# Altium PCB ble_lock_2020-10-10.PcbDoc (part 5 of 5)
Units mm, origin at the board's own origin, x right, y up, seen from the top; angles counter-clockwise.
Board outline 58 x 27 mm, 2 copper layers (Top Layer, Bottom Layer); 590 components, 46 nets, 1844 pads, 2190 vias.
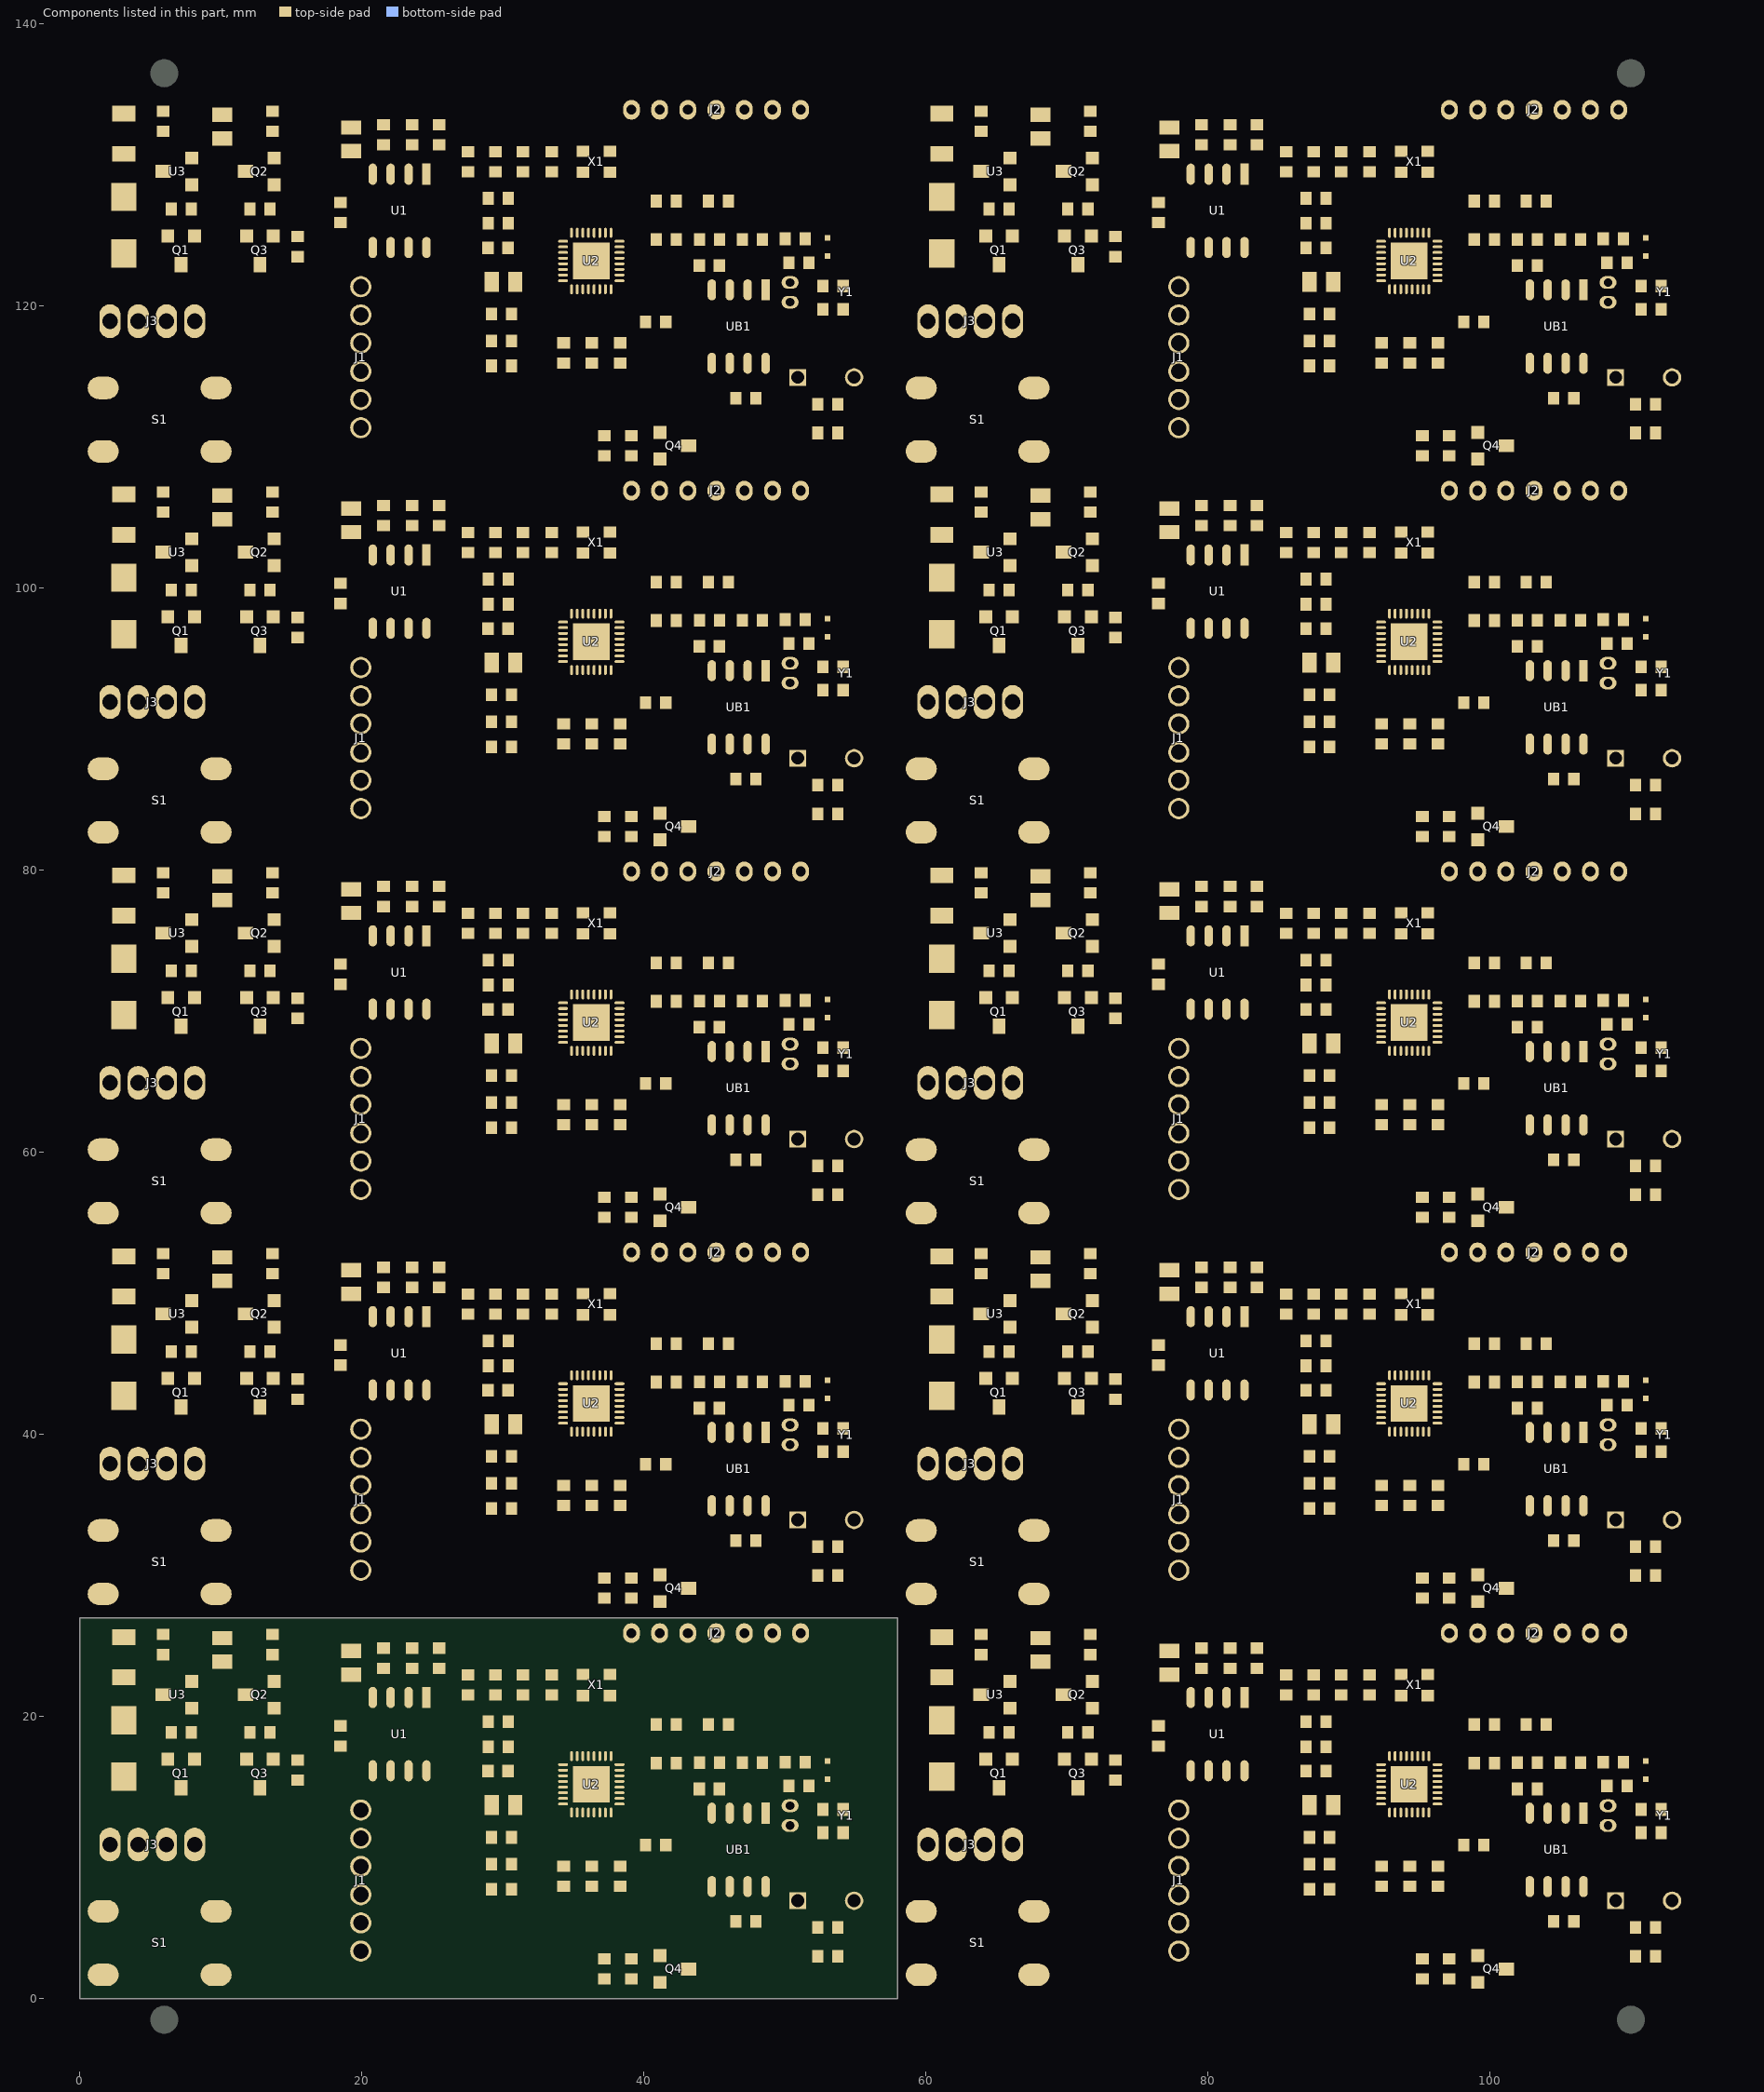
[diagram p5: the components of this part, seen from the top]

## Via types
v1: diameter 0.6, hole 0.4, Top Layer to Bottom Layer, 2190 vias

## Nets (pads, with @x,y where several pads share a name; then routed paths per layer and width w, separated by ;. In a path a pad name is that pad's centre, name@x,y a point inside that pad or via, vN(x,y) a via of type N, cw(c..) or ccw(c..) an arc to the next point about the centre after c; other vN are vias at no path point) (continued)
copper on no net: (continued)
  other v1: 92.29,0.889 93.052,0.889 100.105,1.016 102.704,1.016 104.052,1.016 105.671,1.016 107.29,1.016 108.546,1.016 109.689,1.016 111.086,1.016 112.356,1.016 113.245,1.016 114.134,1.016 115.023,1.016 62.826,1.27 64.858,1.27 71.677,1.641 69.811,1.651 70.827,1.651 61.81,1.905 113.245,1.905 114.134,1.905 115.023,1.905 84.289,2.286 70.788,2.489 71.677,2.489 69.811,2.54 114.261,2.794 115.023,2.794 91.782,2.921 92.417,2.921 74.002,3.048 61.048,3.175 62.445,3.175 63.588,3.175 64.985,3.175 104.99,3.175 86.829,3.302 88.734,3.302 102.323,3.302 103.593,3.302 108.546,3.429 81.241,3.683 82.257,3.683 115.023,3.683 59.143,3.937 60.286,3.937 67.652,4.191 72.732,4.318 74.002,4.318 61.048,4.572 62.445,4.572 63.715,4.572 64.985,4.572 108.8,4.572 114.261,4.572 81.241,4.699 82.257,4.699 113.245,4.826 71.462,5.334 72.732,5.334 74.002,5.334 114.007,5.588 114.896,5.588 81.241,5.715 82.257,5.715 110.832,6.223 71.462,6.35 72.732,6.35 74.002,6.35 114.769,6.35 89.115,6.604 81.241,6.858 82.257,6.858 110.832,7.239 71.462,7.366 72.732,7.366 74.002,7.366 114.769,7.366 59.905,8.001 60.921,8.001 62.064,8.001 81.241,8.001 82.257,8.001 114.388,8.382 113.245,8.509 112.102,8.636 59.905,8.89 60.921,8.89 65.239,8.89 82.257,9.017 112.102,9.398 113.245,9.398 114.388,9.398 104.228,9.906 108.673,10.16 109.816,10.16 110.959,10.16 112.102,10.16 113.245,10.16 114.388,10.16 91.352,10.541 89.828,10.668 103.593,10.922 102.704,11.901 80.352,12.319 89.828,12.319 58.889,12.446 91.479,12.573 63.334,13.589 64.477,13.589 66.255,13.589 67.144,13.589 81.876,14.097 82.638,14.097 59.016,14.351 93.384,14.351 94.21,14.351 95.035,14.351 106.465,14.859 63.334,14.986 93.384,15.176 94.21,15.176 95.035,15.176 59.016,16.002 67.144,16.002 93.384,16.002 94.21,16.002 95.035,16.002 90.766,16.637 89.75,16.764 60.159,17.78 61.302,17.78 67.271,17.78 90.766,17.78 92.036,17.78 96.862,17.78 109.894,18.415 91.782,18.796 73.24,20.32 74.51,20.32 95.465,20.447 75.526,20.574 98.005,20.701 101.053,21.209 74.637,21.336 77.177,21.336 98.005,21.463 83.908,21.971 101.561,22.098 98.005,22.352 102.196,22.733 110.197,23.241 87.627,23.836 84.543,24.13 66.255,25.781 74.383,26.035 68.287,26.289 34.29,27.889 35.052,27.889 92.29,27.889 93.052,27.889 42.105,28.016 44.704,28.016 46.052,28.016 47.671,28.016 49.29,28.016 50.546,28.016 51.689,28.016 53.086,28.016 54.356,28.016 55.245,28.016 56.134,28.016 57.023,28.016 100.105,28.016 102.704,28.016 104.052,28.016 105.671,28.016 107.29,28.016 108.546,28.016 109.689,28.016 111.086,28.016 112.356,28.016 113.245,28.016 114.134,28.016 115.023,28.016 4.826,28.27 6.858,28.27 62.826,28.27 64.858,28.27 11.811,28.651 12.827,28.651 13.677,28.641 69.811,28.651 70.827,28.651 71.677,28.641 3.81,28.905 55.245,28.905 56.134,28.905 57.023,28.905 61.81,28.905 113.245,28.905 114.134,28.905 115.023,28.905 26.289,29.286 84.289,29.286 12.788,29.489 13.677,29.489 70.788,29.489 71.677,29.489 11.811,29.54 69.811,29.54 56.261,29.794 57.023,29.794 114.261,29.794 115.023,29.794 33.782,29.921 34.417,29.921 91.782,29.921 92.417,29.921 16.002,30.048 74.002,30.048 3.048,30.175 4.445,30.175 5.588,30.175 6.985,30.175 46.99,30.175 61.048,30.175 62.445,30.175 63.588,30.175 64.985,30.175 104.99,30.175 28.829,30.302 30.734,30.302 44.323,30.302 45.593,30.302 86.829,30.302 88.734,30.302 102.323,30.302 103.593,30.302 50.546,30.429 108.546,30.429 23.241,30.683 24.257,30.683 57.023,30.683 81.241,30.683 82.257,30.683 115.023,30.683 1.143,30.937 2.286,30.937 59.143,30.937 60.286,30.937 9.652,31.191 67.652,31.191 14.732,31.318 16.002,31.318 72.732,31.318 74.002,31.318 3.048,31.572 4.445,31.572 5.715,31.572 6.985,31.572 50.8,31.572 56.261,31.572 61.048,31.572 62.445,31.572 63.715,31.572 64.985,31.572 108.8,31.572 114.261,31.572 23.241,31.699 24.257,31.699 81.241,31.699 82.257,31.699 55.245,31.826 113.245,31.826 13.462,32.334 14.732,32.334 16.002,32.334 71.462,32.334 72.732,32.334 74.002,32.334 56.007,32.588 56.896,32.588 114.007,32.588 114.896,32.588 23.241,32.715 24.257,32.715 81.241,32.715 82.257,32.715 52.832,33.223 110.832,33.223 13.462,33.35 14.732,33.35 16.002,33.35 56.769,33.35 71.462,33.35 72.732,33.35 74.002,33.35 114.769,33.35 31.115,33.604 89.115,33.604 23.241,33.858 24.257,33.858 81.241,33.858 82.257,33.858 52.832,34.239 110.832,34.239 13.462,34.366 14.732,34.366 16.002,34.366 56.769,34.366 71.462,34.366 72.732,34.366 74.002,34.366 114.769,34.366 1.905,35.001 2.921,35.001 4.064,35.001 23.241,35.001 24.257,35.001 59.905,35.001 60.921,35.001 62.064,35.001 81.241,35.001 82.257,35.001 56.388,35.382 114.388,35.382 55.245,35.509 113.245,35.509 54.102,35.636 112.102,35.636 1.905,35.89 2.921,35.89 7.239,35.89 59.905,35.89 60.921,35.89 65.239,35.89 24.257,36.017 82.257,36.017 54.102,36.398 55.245,36.398 56.388,36.398 112.102,36.398 113.245,36.398 114.388,36.398 46.228,36.906 104.228,36.906 50.673,37.16 51.816,37.16 52.959,37.16 54.102,37.16 55.245,37.16 56.388,37.16 108.673,37.16 109.816,37.16 110.959,37.16 112.102,37.16 113.245,37.16 114.388,37.16 33.352,37.541 91.352,37.541 31.828,37.668 89.828,37.668 45.593,37.922 103.593,37.922 44.704,38.901 102.704,38.901 22.352,39.319 31.828,39.319 80.352,39.319 89.828,39.319 0.889,39.446 58.889,39.446 33.479,39.573 91.479,39.573 5.334,40.589 6.477,40.589 8.255,40.589 9.144,40.589 63.334,40.589 64.477,40.589 66.255,40.589 67.144,40.589 23.876,41.097 24.638,41.097 81.876,41.097 82.638,41.097 1.016,41.351 35.384,41.351 36.21,41.351 37.035,41.351 59.016,41.351 93.384,41.351 94.21,41.351 95.035,41.351 48.465,41.859 106.465,41.859 5.334,41.986 63.334,41.986 35.384,42.176 36.21,42.176 37.035,42.176 93.384,42.176 94.21,42.176 95.035,42.176 1.016,43.002 9.144,43.002 35.384,43.002 36.21,43.002 37.035,43.002 59.016,43.002 67.144,43.002 93.384,43.002 94.21,43.002 95.035,43.002 32.766,43.637 90.766,43.637 31.75,43.764 89.75,43.764 2.159,44.78 3.302,44.78 9.271,44.78 32.766,44.78 34.036,44.78 38.862,44.78 60.159,44.78 61.302,44.78 67.271,44.78 90.766,44.78 92.036,44.78 96.862,44.78 51.894,45.415 109.894,45.415 33.782,45.796 91.782,45.796 15.24,47.32 16.51,47.32 73.24,47.32 74.51,47.32 37.465,47.447 95.465,47.447 17.526,47.574 75.526,47.574 40.005,47.701 98.005,47.701 43.053,48.209 101.053,48.209 16.637,48.336 19.177,48.336 74.637,48.336 77.177,48.336 40.005,48.463 98.005,48.463 25.908,48.971 83.908,48.971 43.561,49.098 101.561,49.098 40.005,49.352 98.005,49.352 44.196,49.733 102.196,49.733 52.197,50.241 110.197,50.241 29.627,50.836 87.627,50.836 26.543,51.13 84.543,51.13 8.255,52.781 66.255,52.781 16.383,53.035 74.383,53.035 10.287,53.289 68.287,53.289 34.29,54.889 35.052,54.889 92.29,54.889 93.052,54.889 42.105,55.016 44.704,55.016 46.052,55.016 47.671,55.016 49.29,55.016 50.546,55.016 51.689,55.016 53.086,55.016 54.356,55.016 55.245,55.016 56.134,55.016 57.023,55.016 100.105,55.016 102.704,55.016 104.052,55.016 105.671,55.016 107.29,55.016 108.546,55.016 109.689,55.016 111.086,55.016 112.356,55.016 113.245,55.016 114.134,55.016 115.023,55.016 4.826,55.27 6.858,55.27 62.826,55.27 64.858,55.27 11.811,55.651 12.827,55.651 13.677,55.641 69.811,55.651 70.827,55.651 71.677,55.641 3.81,55.905 55.245,55.905 56.134,55.905 57.023,55.905 61.81,55.905 113.245,55.905 114.134,55.905 115.023,55.905 26.289,56.286 84.289,56.286 12.788,56.489 13.677,56.489 70.788,56.489 71.677,56.489 11.811,56.54 69.811,56.54 56.261,56.794 57.023,56.794 114.261,56.794 115.023,56.794 33.782,56.921 34.417,56.921 91.782,56.921 92.417,56.921 16.002,57.048 74.002,57.048 3.048,57.175 4.445,57.175 5.588,57.175 6.985,57.175 46.99,57.175 61.048,57.175 62.445,57.175 63.588,57.175 64.985,57.175 104.99,57.175 28.829,57.302 30.734,57.302 44.323,57.302 45.593,57.302 86.829,57.302 88.734,57.302 102.323,57.302 103.593,57.302 50.546,57.429 108.546,57.429 23.241,57.683 24.257,57.683 57.023,57.683 81.241,57.683 82.257,57.683 115.023,57.683 1.143,57.937 2.286,57.937 59.143,57.937 60.286,57.937 9.652,58.191 67.652,58.191 14.732,58.318 16.002,58.318 72.732,58.318 74.002,58.318 3.048,58.572 4.445,58.572 5.715,58.572 6.985,58.572 50.8,58.572 56.261,58.572 61.048,58.572 62.445,58.572 63.715,58.572 64.985,58.572 108.8,58.572 114.261,58.572 23.241,58.699 24.257,58.699 81.241,58.699 82.257,58.699 55.245,58.826 113.245,58.826 13.462,59.334 14.732,59.334 16.002,59.334 71.462,59.334 72.732,59.334 74.002,59.334 56.007,59.588 56.896,59.588 114.007,59.588 114.896,59.588 23.241,59.715 24.257,59.715 81.241,59.715 82.257,59.715 52.832,60.223 110.832,60.223 13.462,60.35 14.732,60.35 16.002,60.35 56.769,60.35 71.462,60.35 72.732,60.35 74.002,60.35 114.769,60.35 31.115,60.604 89.115,60.604 23.241,60.858 24.257,60.858 81.241,60.858 82.257,60.858 52.832,61.239 110.832,61.239 13.462,61.366 14.732,61.366 16.002,61.366 56.769,61.366 71.462,61.366 72.732,61.366 74.002,61.366 114.769,61.366 1.905,62.001 2.921,62.001 4.064,62.001 23.241,62.001 24.257,62.001 59.905,62.001 60.921,62.001 62.064,62.001 81.241,62.001 82.257,62.001 56.388,62.382 114.388,62.382 55.245,62.509 113.245,62.509 54.102,62.636 112.102,62.636 1.905,62.89 2.921,62.89 7.239,62.89 59.905,62.89 60.921,62.89 65.239,62.89 24.257,63.017 82.257,63.017 54.102,63.398 55.245,63.398 56.388,63.398 112.102,63.398 113.245,63.398 114.388,63.398 46.228,63.906 104.228,63.906 50.673,64.16 51.816,64.16 52.959,64.16 54.102,64.16 55.245,64.16 56.388,64.16 108.673,64.16 109.816,64.16 110.959,64.16 112.102,64.16 113.245,64.16 114.388,64.16 33.352,64.541 91.352,64.541 31.828,64.668 89.828,64.668 45.593,64.922 103.593,64.922 44.704,65.901 102.704,65.901 22.352,66.319 31.828,66.319 80.352,66.319 89.828,66.319 0.889,66.446 58.889,66.446 33.479,66.573 91.479,66.573 5.334,67.589 6.477,67.589 8.255,67.589 9.144,67.589 63.334,67.589 64.477,67.589 66.255,67.589 67.144,67.589 23.876,68.097 24.638,68.097 81.876,68.097 82.638,68.097 1.016,68.351 35.384,68.351 36.21,68.351 37.035,68.351 59.016,68.351 93.384,68.351 94.21,68.351 95.035,68.351 48.465,68.859 106.465,68.859 5.334,68.986 63.334,68.986 35.384,69.176 36.21,69.176 37.035,69.176 93.384,69.176 94.21,69.176 95.035,69.176 1.016,70.002 9.144,70.002 35.384,70.002 36.21,70.002 37.035,70.002 59.016,70.002 67.144,70.002 93.384,70.002 94.21,70.002 95.035,70.002 32.766,70.637 90.766,70.637 31.75,70.764 89.75,70.764 2.159,71.78 3.302,71.78 9.271,71.78 32.766,71.78 34.036,71.78 38.862,71.78 60.159,71.78 61.302,71.78 67.271,71.78 90.766,71.78 92.036,71.78 96.862,71.78 51.894,72.415 109.894,72.415 33.782,72.796 91.782,72.796 15.24,74.32 16.51,74.32 73.24,74.32 74.51,74.32 37.465,74.447 95.465,74.447 17.526,74.574 75.526,74.574 40.005,74.701 98.005,74.701 43.053,75.209 101.053,75.209 16.637,75.336 19.177,75.336 74.637,75.336 77.177,75.336 40.005,75.463 98.005,75.463 25.908,75.971 83.908,75.971 43.561,76.098 101.561,76.098 40.005,76.352 98.005,76.352 44.196,76.733 102.196,76.733 52.197,77.241 110.197,77.241 29.627,77.836 87.627,77.836 26.543,78.13 84.543,78.13 8.255,79.781 66.255,79.781 16.383,80.035 74.383,80.035 10.287,80.289 68.287,80.289 34.29,81.889 35.052,81.889 92.29,81.889 93.052,81.889 42.105,82.016 44.704,82.016 46.052,82.016 47.671,82.016 49.29,82.016 50.546,82.016 51.689,82.016 53.086,82.016 54.356,82.016 55.245,82.016 56.134,82.016 57.023,82.016 100.105,82.016 102.704,82.016 104.052,82.016 105.671,82.016 107.29,82.016 108.546,82.016 109.689,82.016 111.086,82.016 112.356,82.016 113.245,82.016 114.134,82.016 115.023,82.016 4.826,82.27 6.858,82.27 62.826,82.27 64.858,82.27 11.811,82.651 12.827,82.651 13.677,82.641 69.811,82.651 70.827,82.651 71.677,82.641 3.81,82.905 55.245,82.905 56.134,82.905 57.023,82.905 61.81,82.905 113.245,82.905 114.134,82.905 115.023,82.905 26.289,83.286 84.289,83.286 12.788,83.489 13.677,83.489 70.788,83.489 71.677,83.489 11.811,83.54 69.811,83.54 56.261,83.794 57.023,83.794 114.261,83.794 115.023,83.794 33.782,83.921 34.417,83.921 91.782,83.921 92.417,83.921 16.002,84.048 74.002,84.048 3.048,84.175 4.445,84.175 5.588,84.175 6.985,84.175 46.99,84.175 61.048,84.175 62.445,84.175 63.588,84.175 64.985,84.175 104.99,84.175 28.829,84.302 30.734,84.302 44.323,84.302 45.593,84.302 86.829,84.302 88.734,84.302 102.323,84.302 103.593,84.302 50.546,84.429 108.546,84.429 23.241,84.683 24.257,84.683 57.023,84.683 81.241,84.683 82.257,84.683 115.023,84.683 1.143,84.937 2.286,84.937 59.143,84.937 60.286,84.937 9.652,85.191 67.652,85.191 14.732,85.318 16.002,85.318 72.732,85.318 74.002,85.318 3.048,85.572 4.445,85.572 5.715,85.572 6.985,85.572 50.8,85.572 56.261,85.572 61.048,85.572 62.445,85.572 63.715,85.572 64.985,85.572 108.8,85.572 114.261,85.572 23.241,85.699 24.257,85.699 81.241,85.699 82.257,85.699 55.245,85.826 113.245,85.826 13.462,86.334 14.732,86.334 16.002,86.334 71.462,86.334 72.732,86.334 74.002,86.334 56.007,86.588 56.896,86.588 114.007,86.588 114.896,86.588 23.241,86.715 24.257,86.715 81.241,86.715 82.257,86.715 52.832,87.223 110.832,87.223 13.462,87.35 14.732,87.35 16.002,87.35 56.769,87.35 71.462,87.35 72.732,87.35 74.002,87.35 114.769,87.35 31.115,87.604 89.115,87.604 23.241,87.858 24.257,87.858 81.241,87.858 82.257,87.858 52.832,88.239 110.832,88.239 13.462,88.366 14.732,88.366 16.002,88.366 56.769,88.366 71.462,88.366 72.732,88.366 74.002,88.366 114.769,88.366 1.905,89.001 2.921,89.001 4.064,89.001 23.241,89.001 24.257,89.001 59.905,89.001 60.921,89.001 62.064,89.001 81.241,89.001 82.257,89.001 56.388,89.382 114.388,89.382 55.245,89.509 113.245,89.509 54.102,89.636 112.102,89.636 1.905,89.89 2.921,89.89 7.239,89.89 59.905,89.89 60.921,89.89 65.239,89.89 24.257,90.017 82.257,90.017 54.102,90.398 55.245,90.398 56.388,90.398 112.102,90.398 113.245,90.398 114.388,90.398 46.228,90.906 104.228,90.906 50.673,91.16 51.816,91.16 52.959,91.16 54.102,91.16 55.245,91.16 56.388,91.16 108.673,91.16 109.816,91.16 110.959,91.16 112.102,91.16 113.245,91.16 114.388,91.16 33.352,91.541 91.352,91.541 31.828,91.668 89.828,91.668 45.593,91.922 103.593,91.922 44.704,92.901 102.704,92.901 22.352,93.319 31.828,93.319 80.352,93.319 89.828,93.319 0.889,93.446 58.889,93.446 33.479,93.573 91.479,93.573 5.334,94.589 6.477,94.589 8.255,94.589 9.144,94.589 63.334,94.589 64.477,94.589 66.255,94.589 67.144,94.589 23.876,95.097 24.638,95.097 81.876,95.097 82.638,95.097 1.016,95.351 35.384,95.351 36.21,95.351 37.035,95.351 59.016,95.351 93.384,95.351 94.21,95.351 95.035,95.351 48.465,95.859 106.465,95.859 5.334,95.986 63.334,95.986 35.384,96.176 36.21,96.176 37.035,96.176 93.384,96.176 94.21,96.176 95.035,96.176 1.016,97.002 9.144,97.002 35.384,97.002 36.21,97.002 37.035,97.002 59.016,97.002 67.144,97.002 93.384,97.002 94.21,97.002 95.035,97.002 32.766,97.637 90.766,97.637 31.75,97.764 89.75,97.764 2.159,98.78 3.302,98.78 9.271,98.78 32.766,98.78 34.036,98.78 38.862,98.78 60.159,98.78 61.302,98.78 67.271,98.78 90.766,98.78 92.036,98.78 96.862,98.78 51.894,99.415 109.894,99.415 33.782,99.796 91.782,99.796 15.24,101.32 16.51,101.32 73.24,101.32 74.51,101.32 37.465,101.447 95.465,101.447 17.526,101.574 75.526,101.574 40.005,101.701 98.005,101.701 43.053,102.209 101.053,102.209 16.637,102.336 19.177,102.336 74.637,102.336 77.177,102.336 40.005,102.463 98.005,102.463 25.908,102.971 83.908,102.971 43.561,103.098 101.561,103.098 40.005,103.352 98.005,103.352 44.196,103.733 102.196,103.733 52.197,104.241 110.197,104.241 29.627,104.836 87.627,104.836 26.543,105.13 84.543,105.13 8.255,106.781 66.255,106.781 16.383,107.035 74.383,107.035 10.287,107.289 68.287,107.289 34.29,108.889 35.052,108.889 92.29,108.889 93.052,108.889 42.105,109.016 44.704,109.016 46.052,109.016 47.671,109.016 49.29,109.016 50.546,109.016 51.689,109.016 53.086,109.016 54.356,109.016 55.245,109.016 56.134,109.016 57.023,109.016 100.105,109.016 102.704,109.016 104.052,109.016 105.671,109.016 107.29,109.016 108.546,109.016 109.689,109.016 111.086,109.016 112.356,109.016 113.245,109.016 114.134,109.016 115.023,109.016 4.826,109.27 6.858,109.27 62.826,109.27 64.858,109.27 11.811,109.651 12.827,109.651 13.677,109.641 69.811,109.651 70.827,109.651 71.677,109.641 3.81,109.905 55.245,109.905 56.134,109.905 57.023,109.905 61.81,109.905 113.245,109.905 114.134,109.905 115.023,109.905 26.289,110.286 84.289,110.286 12.788,110.489 13.677,110.489 70.788,110.489 71.677,110.489 11.811,110.54 69.811,110.54 56.261,110.794 57.023,110.794 114.261,110.794 115.023,110.794 33.782,110.921 34.417,110.921 91.782,110.921 92.417,110.921 16.002,111.048 74.002,111.048 3.048,111.175 4.445,111.175 5.588,111.175 6.985,111.175 46.99,111.175 61.048,111.175 62.445,111.175 63.588,111.175 64.985,111.175 104.99,111.175 28.829,111.302 30.734,111.302 44.323,111.302 45.593,111.302 86.829,111.302 88.734,111.302 102.323,111.302 103.593,111.302 50.546,111.429 108.546,111.429 23.241,111.683 24.257,111.683 57.023,111.683 81.241,111.683 82.257,111.683 115.023,111.683 1.143,111.937 2.286,111.937 59.143,111.937 60.286,111.937 9.652,112.191 67.652,112.191 14.732,112.318 16.002,112.318 72.732,112.318 74.002,112.318 3.048,112.572 4.445,112.572 5.715,112.572 6.985,112.572 50.8,112.572 56.261,112.572 61.048,112.572 62.445,112.572 63.715,112.572 64.985,112.572 108.8,112.572 114.261,112.572 23.241,112.699 24.257,112.699 81.241,112.699 82.257,112.699 55.245,112.826 113.245,112.826 13.462,113.334 14.732,113.334 16.002,113.334 71.462,113.334 72.732,113.334 74.002,113.334 56.007,113.588 56.896,113.588 114.007,113.588 114.896,113.588 23.241,113.715 24.257,113.715 81.241,113.715 82.257,113.715 52.832,114.223 110.832,114.223 13.462,114.35 14.732,114.35 16.002,114.35 56.769,114.35 71.462,114.35 72.732,114.35 74.002,114.35 114.769,114.35 31.115,114.604 89.115,114.604 23.241,114.858 24.257,114.858 81.241,114.858 82.257,114.858 52.832,115.239 110.832,115.239 13.462,115.366 14.732,115.366 16.002,115.366 56.769,115.366 71.462,115.366 72.732,115.366 74.002,115.366 114.769,115.366 1.905,116.001 2.921,116.001 4.064,116.001 23.241,116.001 24.257,116.001 59.905,116.001 60.921,116.001 62.064,116.001 81.241,116.001 82.257,116.001 56.388,116.382 114.388,116.382 55.245,116.509 113.245,116.509 54.102,116.636 112.102,116.636 1.905,116.89 2.921,116.89 7.239,116.89 59.905,116.89 60.921,116.89 65.239,116.89 24.257,117.017 82.257,117.017 54.102,117.398 55.245,117.398 56.388,117.398 112.102,117.398 113.245,117.398 114.388,117.398 46.228,117.906 104.228,117.906 50.673,118.16 51.816,118.16 52.959,118.16 54.102,118.16 55.245,118.16 56.388,118.16 108.673,118.16 109.816,118.16 110.959,118.16 112.102,118.16 113.245,118.16 114.388,118.16 33.352,118.541 91.352,118.541 31.828,118.668 89.828,118.668 45.593,118.922 103.593,118.922 44.704,119.901 102.704,119.901 22.352,120.319 31.828,120.319 80.352,120.319 89.828,120.319 0.889,120.446 58.889,120.446 33.479,120.573 91.479,120.573 5.334,121.589 6.477,121.589 8.255,121.589 9.144,121.589 63.334,121.589 64.477,121.589 66.255,121.589 67.144,121.589 23.876,122.097 24.638,122.097 81.876,122.097 82.638,122.097 1.016,122.351 35.384,122.351 36.21,122.351 37.035,122.351 59.016,122.351 93.384,122.351 94.21,122.351 95.035,122.351 48.465,122.859 106.465,122.859 5.334,122.986 63.334,122.986 35.384,123.176 36.21,123.176 37.035,123.176 93.384,123.176 94.21,123.176 95.035,123.176 1.016,124.002 9.144,124.002 35.384,124.002 36.21,124.002 37.035,124.002 59.016,124.002 67.144,124.002 93.384,124.002 94.21,124.002 95.035,124.002 32.766,124.637 90.766,124.637 31.75,124.764 89.75,124.764 2.159,125.78 3.302,125.78 9.271,125.78 32.766,125.78 34.036,125.78 38.862,125.78 60.159,125.78 61.302,125.78 67.271,125.78 90.766,125.78 92.036,125.78 96.862,125.78 51.894,126.415 109.894,126.415 33.782,126.796 91.782,126.796 15.24,128.32 16.51,128.32 73.24,128.32 74.51,128.32 37.465,128.447 95.465,128.447 17.526,128.574 75.526,128.574 40.005,128.701 98.005,128.701 43.053,129.209 101.053,129.209 16.637,129.336 19.177,129.336 74.637,129.336 77.177,129.336 40.005,129.463 98.005,129.463 25.908,129.971 83.908,129.971 43.561,130.098 101.561,130.098 40.005,130.352 98.005,130.352 44.196,130.733 102.196,130.733 52.197,131.241 110.197,131.241 29.627,131.836 87.627,131.836 26.543,132.13 84.543,132.13 8.255,133.781 66.255,133.781 16.383,134.035 74.383,134.035 10.287,134.289 68.287,134.289

## Polygon pours and split planes (outlines as drawn)
VBAT on Top Layer "Bottom Layer-No Net" (solid, pour order 40): 0,18.796 3.81,18.796 4.572,18.034 6.223,16.383 6.858,16.383 6.985,16.383 7.493,16.891 7.493,18.542 7.493,24.511 6.985,25.019 6.858,25.146 4.572,25.146 0,25.146 0,18.796
GND on Top Layer "Bottom Layer-No Net" (solid, remove dead copper, pour order 60): 0,27 0,0 58,0 58,14.058 58.039,14.097 57.912,13.97 52.578,13.97 52.578,26.873 52.705,27 0,27
no net on Top Layer "Bottom Layer-No Net" (solid, remove dead copper, pour order 59): 0,54 0,27 58,27 58,41.058 58.039,41.097 57.912,40.97 52.578,40.97 52.578,53.873 52.705,54 0,54
no net on Top Layer "Bottom Layer-No Net" (solid, pour order 39): 0,45.796 3.81,45.796 4.572,45.034 6.223,43.383 6.858,43.383 6.985,43.383 7.493,43.891 7.493,45.542 7.493,51.511 6.985,52.019 6.858,52.146 4.572,52.146 0,52.146 0,45.796
no net on Top Layer "Bottom Layer-No Net" (solid, remove dead copper, pour order 58): 0,81 0,54 58,54 58,68.058 58.039,68.097 57.912,67.97 52.578,67.97 52.578,80.873 52.705,81 0,81
no net on Top Layer "Bottom Layer-No Net" (solid, pour order 38): 0,72.796 3.81,72.796 4.572,72.034 6.223,70.383 6.858,70.383 6.985,70.383 7.493,70.891 7.493,72.542 7.493,78.511 6.985,79.019 6.858,79.146 4.572,79.146 0,79.146 0,72.796
no net on Top Layer "Bottom Layer-No Net" (solid, remove dead copper, pour order 57): 0,108 0,81 58,81 58,95.058 58.039,95.097 57.912,94.97 52.578,94.97 52.578,107.873 52.705,108 0,108
no net on Top Layer "Bottom Layer-No Net" (solid, pour order 37): 0,99.796 3.81,99.796 4.572,99.034 6.223,97.383 6.858,97.383 6.985,97.383 7.493,97.891 7.493,99.542 7.493,105.511 6.985,106.019 6.858,106.146 4.572,106.146 0,106.146 0,99.796
no net on Top Layer "Bottom Layer-No Net" (solid, remove dead copper, pour order 56): 0,135 0,108 58,108 58,122.058 58.039,122.097 57.912,121.97 52.578,121.97 52.578,134.873 52.705,135 0,135
no net on Top Layer "Bottom Layer-No Net" (solid, pour order 36): 0,126.796 3.81,126.796 4.572,126.034 6.223,124.383 6.858,124.383 6.985,124.383 7.493,124.891 7.493,126.542 7.493,132.511 6.985,133.019 6.858,133.146 4.572,133.146 0,133.146 0,126.796
no net on Top Layer "Bottom Layer-No Net" (solid, pour order 35): 58,126.796 61.81,126.796 62.572,126.034 64.223,124.383 64.858,124.383 64.985,124.383 65.493,124.891 65.493,126.542 65.493,132.511 64.985,133.019 64.858,133.146 62.572,133.146 58,133.146 58,126.796
no net on Top Layer "Bottom Layer-No Net" (solid, remove dead copper, pour order 55): 58,135 58,108 116,108 116,122.058 116.039,122.097 115.912,121.97 110.578,121.97 110.578,134.873 110.705,135 58,135
no net on Top Layer "Bottom Layer-No Net" (solid, pour order 34): 58,99.796 61.81,99.796 62.572,99.034 64.223,97.383 64.858,97.383 64.985,97.383 65.493,97.891 65.493,99.542 65.493,105.511 64.985,106.019 64.858,106.146 62.572,106.146 58,106.146 58,99.796
no net on Top Layer "Bottom Layer-No Net" (solid, remove dead copper, pour order 54): 58,108 58,81 116,81 116,95.058 116.039,95.097 115.912,94.97 110.578,94.97 110.578,107.873 110.705,108 58,108
no net on Top Layer "Bottom Layer-No Net" (solid, pour order 33): 58,72.796 61.81,72.796 62.572,72.034 64.223,70.383 64.858,70.383 64.985,70.383 65.493,70.891 65.493,72.542 65.493,78.511 64.985,79.019 64.858,79.146 62.572,79.146 58,79.146 58,72.796
no net on Top Layer "Bottom Layer-No Net" (solid, remove dead copper, pour order 53): 58,81 58,54 116,54 116,68.058 116.039,68.097 115.912,67.97 110.578,67.97 110.578,80.873 110.705,81 58,81
no net on Top Layer "Bottom Layer-No Net" (solid, pour order 32): 58,45.796 61.81,45.796 62.572,45.034 64.223,43.383 64.858,43.383 64.985,43.383 65.493,43.891 65.493,45.542 65.493,51.511 64.985,52.019 64.858,52.146 62.572,52.146 58,52.146 58,45.796
no net on Top Layer "Bottom Layer-No Net" (solid, remove dead copper, pour order 52): 58,54 58,27 116,27 116,41.058 116.039,41.097 115.912,40.97 110.578,40.97 110.578,53.873 110.705,54 58,54
no net on Top Layer "Bottom Layer-No Net" (solid, remove dead copper, pour order 51): 58,27 58,0 116,0 116,14.058 116.039,14.097 115.912,13.97 110.578,13.97 110.578,26.873 110.705,27 58,27
no net on Top Layer "Bottom Layer-No Net" (solid, pour order 31): 58,18.796 61.81,18.796 62.572,18.034 64.223,16.383 64.858,16.383 64.985,16.383 65.493,16.891 65.493,18.542 65.493,24.511 64.985,25.019 64.858,25.146 62.572,25.146 58,25.146 58,18.796
GND on Bottom Layer "Bottom Layer-No Net" (solid, remove dead copper, pour order 50): 0,27 0,0 58,0 58,14.097 52.705,14.097 52.705,27.051 52.654,27 0,27
no net on Bottom Layer "Bottom Layer-No Net" (solid, remove dead copper, pour order 49): 0,54 0,27 58,27 58,41.097 52.705,41.097 52.705,54.051 52.654,54 0,54
no net on Bottom Layer "Bottom Layer-No Net" (solid, remove dead copper, pour order 48): 0,81 0,54 58,54 58,68.097 52.705,68.097 52.705,81.051 52.654,81 0,81
no net on Bottom Layer "Bottom Layer-No Net" (solid, remove dead copper, pour order 47): 0,108 0,81 58,81 58,95.097 52.705,95.097 52.705,108.051 52.654,108 0,108
no net on Bottom Layer "Bottom Layer-No Net" (solid, remove dead copper, pour order 46): 0,135 0,108 58,108 58,122.097 52.705,122.097 52.705,135.051 52.654,135 0,135
no net on Bottom Layer "Bottom Layer-No Net" (solid, remove dead copper, pour order 45): 58,135 58,108 116,108 116,122.097 110.705,122.097 110.705,135.051 110.654,135 58,135
no net on Bottom Layer "Bottom Layer-No Net" (solid, remove dead copper, pour order 44): 58,108 58,81 116,81 116,95.097 110.705,95.097 110.705,108.051 110.654,108 58,108
no net on Bottom Layer "Bottom Layer-No Net" (solid, remove dead copper, pour order 43): 58,81 58,54 116,54 116,68.097 110.705,68.097 110.705,81.051 110.654,81 58,81
no net on Bottom Layer "Bottom Layer-No Net" (solid, remove dead copper, pour order 42): 58,54 58,27 116,27 116,41.097 110.705,41.097 110.705,54.051 110.654,54 58,54
no net on Bottom Layer "Bottom Layer-No Net" (solid, remove dead copper, pour order 41): 58,27 58,0 116,0 116,14.097 110.705,14.097 110.705,27.051 110.654,27 58,27

## Keep-outs
Keep-Out Layer:
  circle w0.2: c2.5,137.5 r1.25
  circle w0.2: c113.5,137.5 r1.25
  circle w0.2: c2.5,-2.5 r1.25
  circle w0.2: c113.5,-2.5 r1.25
  lines w0.127: 0,27 58,27 ; 0,27 0,0 58,0 ; 0,27 58,27 ; 0,27 0,54 ; 0,54 58,54 ; 0,54 58,54 ; 0,54 0,81 ; 0,81 58,81 ; 0,81 58,81 ; 0,81 0,108 ; 0,108 58,108 ; 0,108 58,108 ; 0,108 0,135 58,135 ; 58,0 58,27 ; 58,0 116,0 116,27 ; 58,0 58,27 ; 58,27 58,54 ; 58,27 58,54 ; 58,27 116,27 ; 58,27 116,27 ; 58,54 58,81 ; 58,54 58,81 ; 58,54 116,54 ; 58,54 116,54 ; 58,81 58,108 ; 58,81 58,108 ; 58,81 116,81 ; 58,81 116,81 ; 58,108 58,135 ; 58,108 58,135 ; 58,108 116,108 ; 58,108 116,108 ; 58,135 116,135 116,108 ; 116,27 116,54 ; 116,54 116,81 ; 116,81 116,108

## Silkscreen, mask and mechanical layers (free items; w line width, h text height)
Top Overlay:
  circle w0.127: c49.5,21 r2.25
  circle w0.127: c42,7 r2.25
  circle w0.127: c15.25,11.75 r2.25
  circle w0.127: c15.25,38.75 r2.25
  circle w0.127: c42,34 r2.25
  circle w0.127: c49.5,48 r2.25
  circle w0.127: c15.25,65.75 r2.25
  circle w0.127: c42,61 r2.25
  circle w0.127: c49.5,75 r2.25
  circle w0.127: c15.25,92.75 r2.25
  circle w0.127: c42,88 r2.25
  circle w0.127: c49.5,102 r2.25
  circle w0.127: c15.25,119.75 r2.25
  circle w0.127: c42,115 r2.25
  circle w0.127: c49.5,129 r2.25
  circle w0.127: c107.5,129 r2.25
  circle w0.127: c100,115 r2.25
  circle w0.127: c73.25,119.75 r2.25
  circle w0.127: c107.5,102 r2.25
  circle w0.127: c100,88 r2.25
  circle w0.127: c73.25,92.75 r2.25
  circle w0.127: c107.5,75 r2.25
  circle w0.127: c100,61 r2.25
  circle w0.127: c73.25,65.75 r2.25
  circle w0.127: c107.5,48 r2.25
  circle w0.127: c100,34 r2.25
  circle w0.127: c73.25,38.75 r2.25
  circle w0.127: c73.25,11.75 r2.25
  circle w0.127: c100,7 r2.25
  circle w0.127: c107.5,21 r2.25
  text "GND" at 38.354,131.876 h0.8
  text "3.3V" at 49.735,131.876 h0.8
  text "GND" at 96.354,131.876 h0.8
  text "3.3V" at 107.735,131.876 h0.8
  text "JYD-LOCK-V1.0.0.2020.10.13" at 15.113,108.381 h1
  text "JYD-LOCK-V1.0.0.2020.10.13" at 73.113,108.381 h1
  text "GND" at 38.354,104.876 h0.8
  text "3.3V" at 49.735,104.876 h0.8
  text "GND" at 96.354,104.876 h0.8
  text "3.3V" at 107.735,104.876 h0.8
  text "JYD-LOCK-V1.0.0.2020.10.13" at 15.113,81.381 h1
  text "JYD-LOCK-V1.0.0.2020.10.13" at 73.113,81.381 h1
  text "GND" at 38.354,77.876 h0.8
  text "3.3V" at 49.735,77.876 h0.8
  text "GND" at 96.354,77.876 h0.8
  text "3.3V" at 107.735,77.876 h0.8
  text "JYD-LOCK-V1.0.0.2020.10.13" at 15.113,54.381 h1
  text "JYD-LOCK-V1.0.0.2020.10.13" at 73.113,54.381 h1
  text "GND" at 38.354,50.876 h0.8
  text "3.3V" at 49.735,50.876 h0.8
  text "GND" at 96.354,50.876 h0.8
  text "3.3V" at 107.735,50.876 h0.8
  text "JYD-LOCK-V1.0.0.2020.10.13" at 15.113,27.381 h1
  text "JYD-LOCK-V1.0.0.2020.10.13" at 73.113,27.381 h1
  text "GND" at 38.354,23.876 h0.8
  text "3.3V" at 49.735,23.876 h0.8
  text "GND" at 96.354,23.876 h0.8
  text "3.3V" at 107.735,23.876 h0.8
  text "JYD-LOCK-V1.0.0.2020.10.13" at 15.113,0.381 h1
  text "JYD-LOCK-V1.0.0.2020.10.13" at 73.113,0.381 h1
Bottom Overlay:
  lines w0.127: 55.968,7.061 56.222,7.061 56.984,7.061 ; 55.968,34.061 56.222,34.061 56.984,34.061 ; 55.968,61.061 56.222,61.061 56.984,61.061 ; 55.968,88.061 56.222,88.061 56.984,88.061 ; 55.968,115.061 56.222,115.061 56.984,115.061 ; 56.476,6.553 56.476,7.569 ; 56.476,33.553 56.476,34.569 ; 56.476,60.553 56.476,61.569 ; 56.476,87.553 56.476,88.569 ; 56.476,114.553 56.476,115.569 ; 113.968,7.061 114.222,7.061 114.984,7.061 ; 113.968,34.061 114.222,34.061 114.984,34.061 ; 113.968,61.061 114.222,61.061 114.984,61.061 ; 113.968,88.061 114.222,88.061 114.984,88.061 ; 113.968,115.061 114.222,115.061 114.984,115.061 ; 114.476,6.553 114.476,7.569 ; 114.476,33.553 114.476,34.569 ; 114.476,60.553 114.476,61.569 ; 114.476,87.553 114.476,88.569 ; 114.476,114.553 114.476,115.569
Mechanical 1:
  circle w0.2: c113.5,137.5 r1.25
  circle w0.2: c2.5,137.5 r1.25
  circle w0.2: c113.5,-2.5 r1.25
  circle w0.2: c2.5,-2.5 r1.25
  circle w0.127: c49.5,21 r1.2
  circle w0.127: c15.25,11.75 r1.2
  circle w0.127: c41.9,7 r1.2
  circle w0.127: c41.9,34 r1.2
  circle w0.127: c15.25,38.75 r1.2
  circle w0.127: c49.5,48 r1.2
  circle w0.127: c41.9,61 r1.2
  circle w0.127: c15.25,65.75 r1.2
  circle w0.127: c49.5,75 r1.2
  circle w0.127: c41.9,88 r1.2
  circle w0.127: c15.25,92.75 r1.2
  circle w0.127: c49.5,102 r1.2
  circle w0.127: c41.9,115 r1.2
  circle w0.127: c15.25,119.75 r1.2
  circle w0.127: c49.5,129 r1.2
  circle w0.127: c107.5,129 r1.2
  circle w0.127: c73.25,119.75 r1.2
  circle w0.127: c99.9,115 r1.2
  circle w0.127: c107.5,102 r1.2
  circle w0.127: c73.25,92.75 r1.2
  circle w0.127: c99.9,88 r1.2
  circle w0.127: c107.5,75 r1.2
  circle w0.127: c73.25,65.75 r1.2
  circle w0.127: c99.9,61 r1.2
  circle w0.127: c107.5,48 r1.2
  circle w0.127: c73.25,38.75 r1.2
  circle w0.127: c99.9,34 r1.2
  circle w0.127: c99.9,7 r1.2
  circle w0.127: c73.25,11.75 r1.2
  circle w0.127: c107.5,21 r1.2
  lines w0.127: 0,-5 0,0 ; 0,135 0,140 116,140 116,135 ; 0.088,-5 116,-5 116,0